# Altium PCB CM_PCB.PcbDoc (part 1 of 7) (continued)
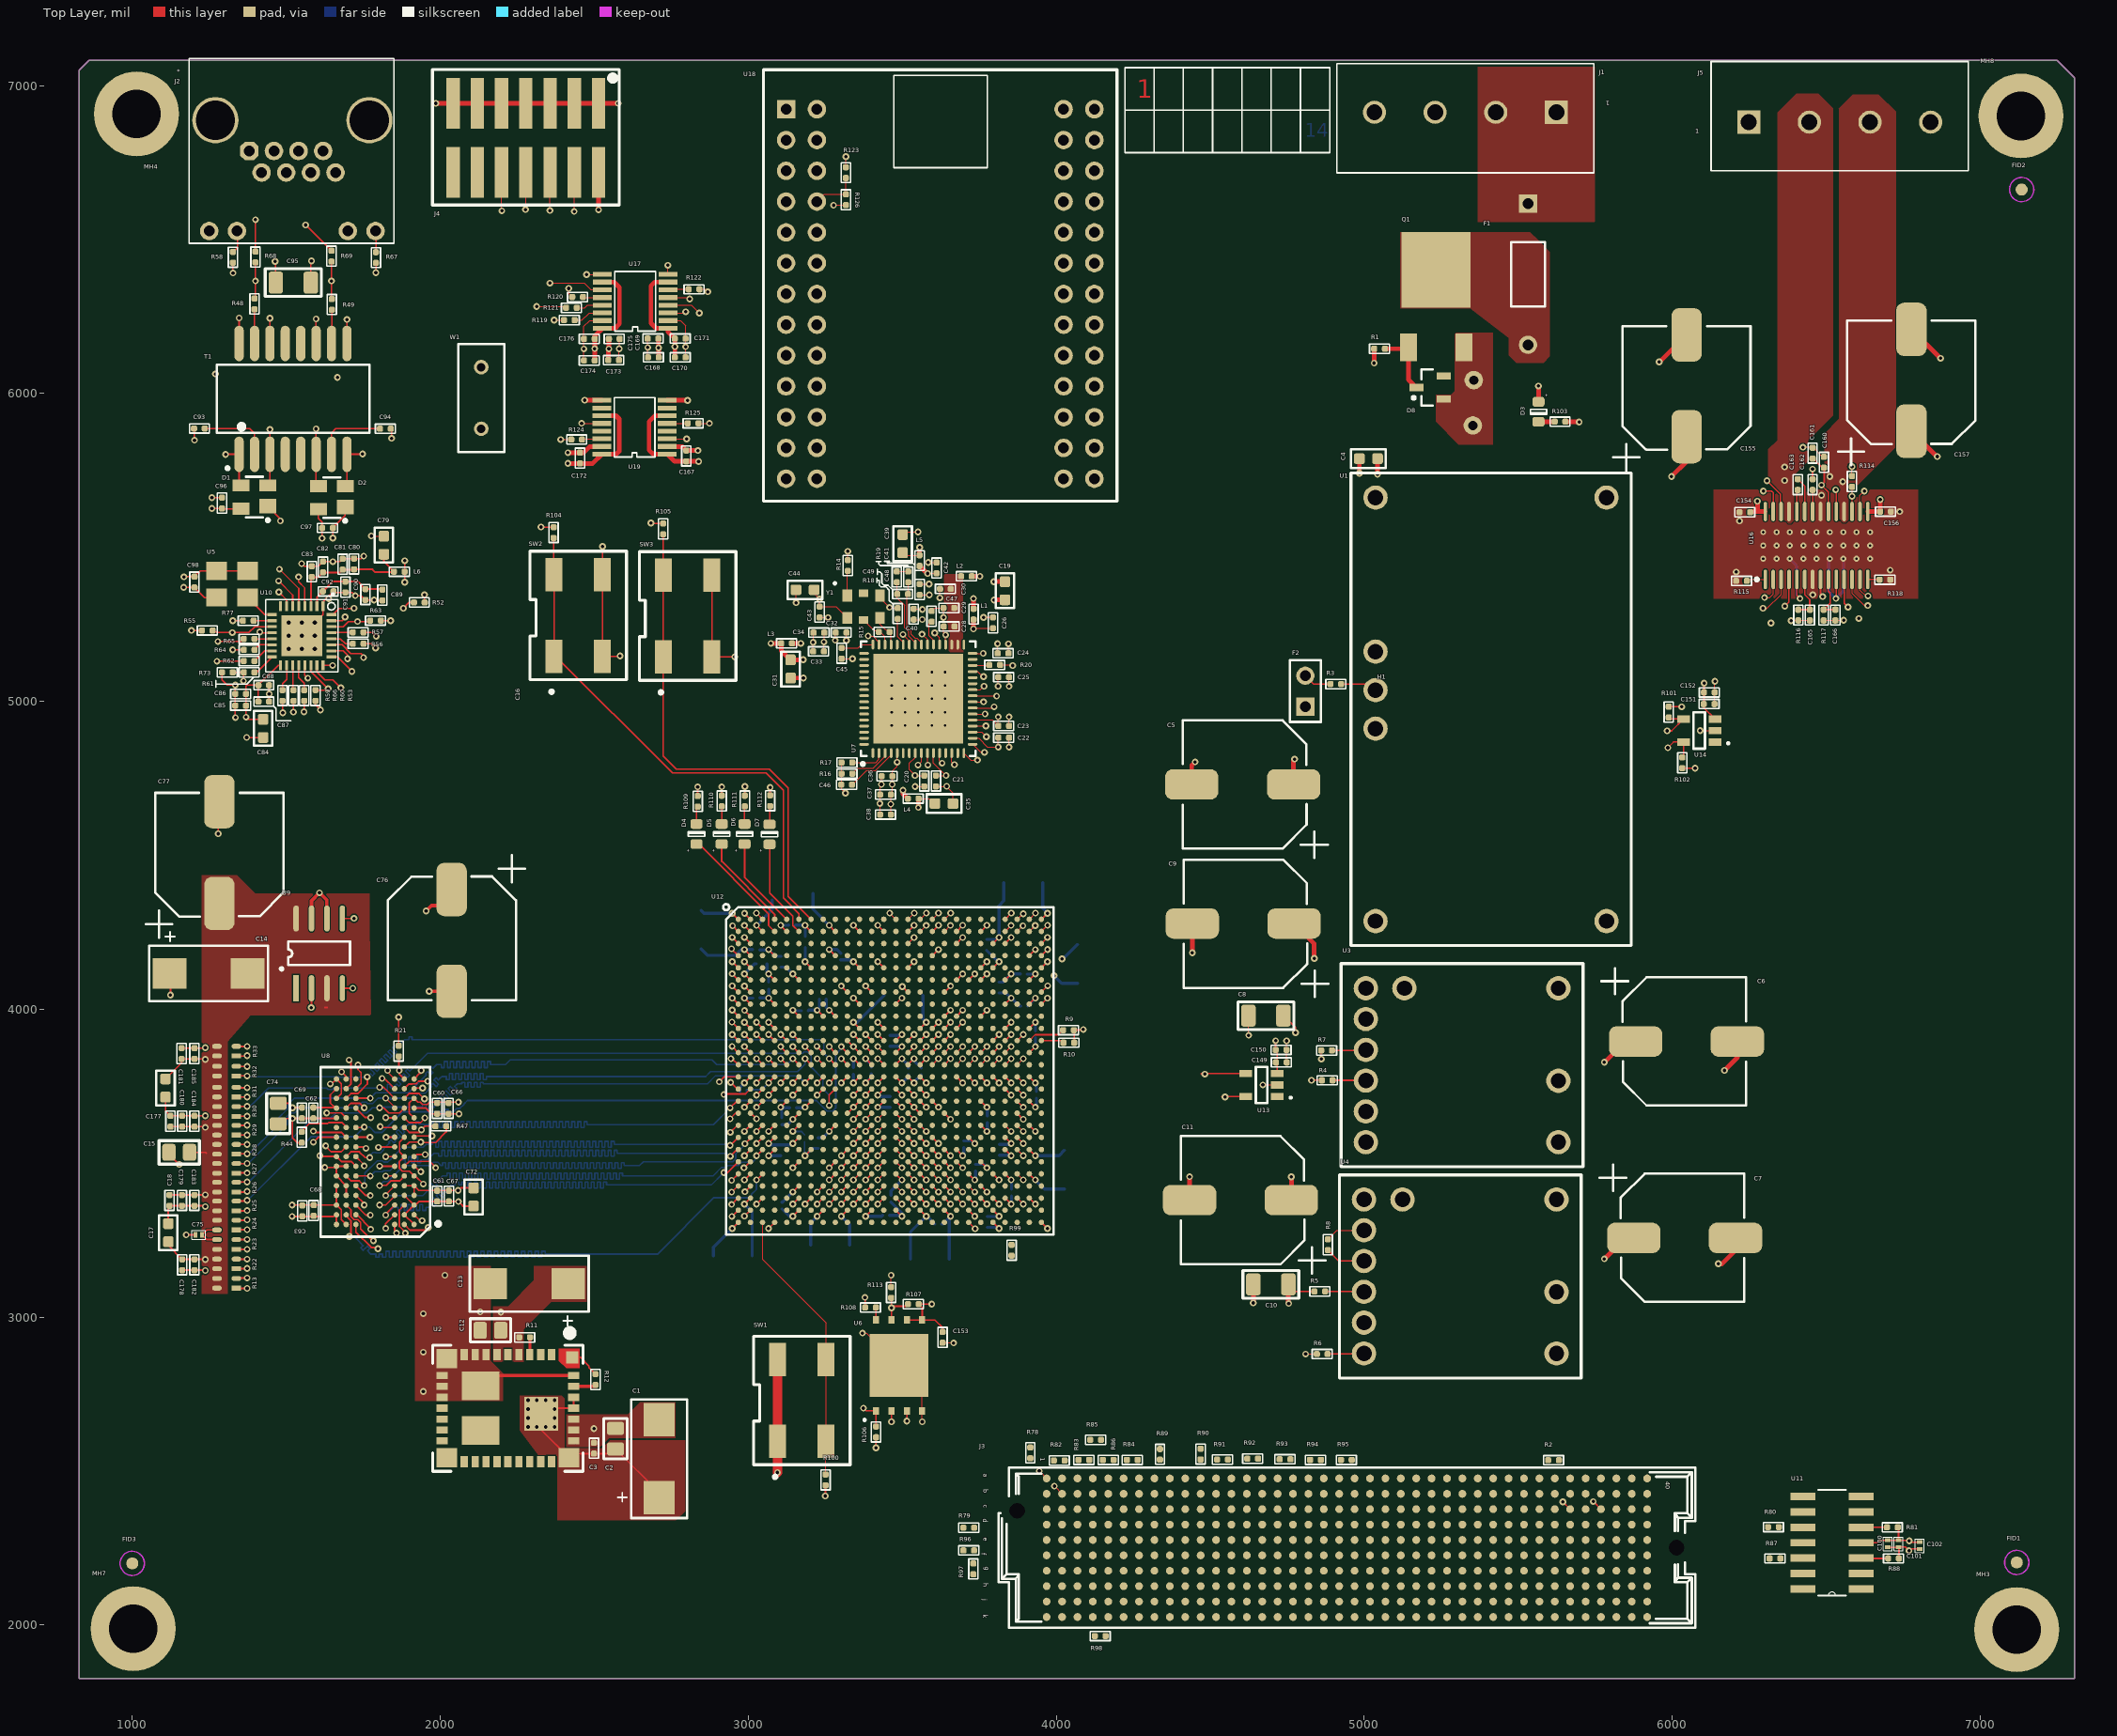
[diagram p0: Top Layer view]
## Components (designator, comment, footprint, x,y, rotation, side; value= is the part's Value field where it differs from the comment) (continued)
C172 "CAP - 0402" CAP_0402 2454,5790 r270 top
C173 "CAP - 0402" CAP_0402 2563,6108 r180 top
C174 "CAP - 0402" CAP_0402 2484,6107 r0 top
C175 "CAP - 0402" CAP_0402 2565,6177 r180 top
C176 "CAP - 0402" CAP_0402 2484,6177 r0 top
C177 "CAP - 0402" CAP_0402 1124,3636 r270 top
C178 "CAP - 0402" CAP_0402 1162,3170 r90 top
C179 "CAP - 0402" CAP_0402 1161,3379 r90 top
C180 "CAP - 0402" CAP_0402 1162,3636 r270 top
C181 "CAP - 0402" CAP_0402 1160,3856 r270 top
C182 "CAP - 0402" CAP_0402 1202,3170 r90 top
C183 "CAP - 0402" CAP_0402 1202,3379 r90 top
C184 "CAP - 0402" CAP_0402 1202,3636 r270 top
C185 "CAP - 0402" CAP_0402 1202,3856 r270 top
D1 "SR3.3.TCT" TVS_SR3.3.TCT 1396.94,5663.3 r180 top
D2 "SR3.3.TCT" TVS_SR3.3.TCT 1647.94,5661.3 r180 top
D3 "SML-311UTT86" LED_0603 5566,5940 r270 top
D4 "SML-311DTT86" LED_0603 2832,4569 r90 top
D5 "SML-311DTT86" LED_0603 2914,4569 r90 top
D6 "SML-311DTT86" LED_0603 2988,4569 r90 top
D7 "SML-311DTT86" LED_0603 3069,4568 r90 top
D8 "ZENER BZX84C10LT1G" SOT23_N 5214,6019 r180 top
F1 "Fuse 1" PIN-W2/E2.8 5532,6387 r270 top
F2 "FAN 12V" HDR1X2 4809,4983 r90 top
FID1 "Fiducial 1mm" FID_1MM 7119,2203 r90 top
FID2 "Fiducial 1mm" FID_1MM 7135,6662 r90 top
FID3 "Fiducial 1mm" FID_1MM 1000,2200 r90 top
H1 "ATS-61270D-C1-R0" "27mm heatsink" 8461,2135 r0 top
J1 "OSTTC040162" CONN_TERMINAL_OSTTA040161 5329,6913 r180 top
J2 "RJHSE-5385" CONN_ETHERNET_RJHSE-5385 1519.94,6787.3 r180 top
J3 "ASP-134486-01" CONN_SAMTEC_ASP-134486-01 4944,2251 r180 top
J4 "98424-G52-14ALF" CON_JTAG_98424-G52-14ALF 2278,6830 r180 top
J5 "OSTTC040162" CONN_TERMINAL_OSTTA040161 6544,6881 r0 top
L1 "FER - 0402" FER_0402 3731.5,5283 r90 top
L2 "FER - 0402" FER_0402 3708.5,5406 r0 top
L3 "FER - 0402" FER_0402 3124.5,5188 r180 top
L4 "FER - 0402" FER_0402 3535.5,4684 r0 top
L5 "FER - 0402" FER_0402 3556.5,5457 r90 top
L6 "FER - 0402" FER_0402 1867,5421 r0 top
MH3 "Mounting Hole 6-32" MH_ENG_6-32 7119,1985 r0 top
MH4 "Mounting Hole 6-32" MH_ENG_6-32 1014,6908 r0 top
MH7 "2.7 mm" MH_ENG_6-32 1003,1988 r0 top
MH8 "2.7 mm" MH_ENG_6-32 7133,6901 r0 top
Q1 "SUD50P04-08-GE3" TO-252 5116,6104 r0 top
R1 "RES - 0402" RES_0402 5050,6145 r0 top
R2 "RES - 0402" RES_0402 5615,2535 r0 top
R3 "RES - 0402" RES_0402 4908,5056 r0 top
R4 "NM" RES_0402 4880,3769 r0 top
R5 "NM" RES_0402 4856,3083 r0 top
R6 "RES - 0402" RES_0402 4864,2880 r0 top
R7 "RES - 0402" RES_0402 4878,3866 r0 top
R8 "RES - 0402" RES_0402 4882,3235 r270 top
R9 "RES - 0402" RES_0402 4040,3932 r0 top
R10 "RES - 0402" RES_0402 4041,3891 r0 top
R11 "*" RES_0402 2274,2934 r0 top
R12 "*" RES_0402 2504,2797 r270 top
R13 "Double resistor" CAT16-J2 1338,3094 r180 top
R14 "RES - 0402" RES_0402 3323.5,5441 r270 top
R15 "RES - 0402" RES_0402 3441.5,5225 r0 top
R16 "RES - 0402" RES_0402 3320.5,4765 r180 top
R17 "RES - 0402" RES_0402 3320.5,4801 r180 top
R18 "RES - 0402" RES_0402 3485.5,5285 r90 top
R19 "NM" RES_0402 3519.5,5404 r270 top
R20 "RES - 0402" RES_0402 3800.5,5118 r180 top
R21 "RES - 0402" RES_0402 1865,3864 r90 top
R22 "Double resistor" CAT16-J2 1338,3157 r180 top
R23 "Double resistor" CAT16-J2 1338,3220 r180 top
R24 "Double resistor" CAT16-J2 1338,3283 r180 top
R25 "Double resistor" CAT16-J2 1338,3345 r180 top
R26 "Double resistor" CAT16-J2 1338,3406 r180 top
R27 "Double resistor" CAT16-J2 1338,3467 r180 top
R28 "Double resistor" CAT16-J2 1338,3529 r180 top
R29 "Double resistor" CAT16-J2 1338,3591 r180 top
R30 "Double resistor" CAT16-J2 1338,3652 r180 top
R31 "Double resistor" CAT16-J2 1338,3715 r180 top
R32 "Double resistor" CAT16-J2 1338,3783 r180 top
R33 "Double resistor" CAT16-J2 1338,3848 r180 top
R44 "RES - 0402" RES_0402 1550,3584 r90 top
R47 "RES - 0402" RES_0402 2002,3620 r180 top
R48 "RES - 0402" RES_0402 1396.94,6290.8 r270 top
R49 "RES - 0402" RES_0402 1647.94,6288.8 r270 top
R52 "RES - 0402" RES_0402 1932,5321 r0 top
R53 "RES - 0402" RES_0402 1595,5019 r270 top
R55 "RES - 0402" RES_0402 1243.5,5230 r180 top
R56 "RES - 0402" RES_0402 1733.44,5186.8 r0 top
R57 "RES - 0402" RES_0402 1733.44,5223.8 r0 top
R58 "RES - 0402" RES_0402 1327,6442 r270 top
R59 "RES - 0402" RES_0402 1487.44,5018.8 r270 top
R60 "RES - 0402" RES_0402 1558.44,5018.8 r270 top
R61 "RES - 0402" RES_0402 1379.44,5093.8 r180 top
R62 "RES - 0402" RES_0402 1379.44,5130.8 r180 top
R63 "RES - 0402" RES_0402 1790,5262 r0 top
R64 "RES - 0402" RES_0402 1379.5,5167 r180 top
R65 "RES - 0402" RES_0402 1379.44,5202.8 r180 top
R66 "RES - 0402" RES_0402 1523.44,5018.8 r270 top
R67 "RES - 0402" RES_0402 1791,6441 r270 top
R68 "RES - 0402" RES_0402 1399.94,6442.8 r90 top
R69 "RES - 0402" RES_0402 1646.94,6445.8 r90 top
R73 "RES - 0402" RES_0402 1308.5,5094 r0 top
R77 "RES - 0402" RES_0402 1376.44,5261.8 r0 top
R78 "RES - 0402" RES_0402 3916,2559 r90 top
R79 "RES - 0402" RES_0402 3716,2316 r180 top
R80 "RES - 0402" RES_0402 6329,2318 r180 top
R81 "RES - 0402" RES_0402 6715,2317 r0 top
R82 "RES - 0402" RES_0402 4010,2534 r0 top
R83 "RES - 0402" RES_0402 4090,2536 r180 top
R84 "RES - 0402" RES_0402 4247,2536 r0 top
R85 "RES - 0402" RES_0402 4128,2601 r180 top
R86 "RES - 0402" RES_0402 4169,2536 r0 top
R87 "RES - 0402" RES_0402 6334,2216 r0 top
R88 "RES - 0402" RES_0402 6719,2216 r180 top
R89 "RES - 0402" RES_0402 4337,2554 r90 top
R90 "RES - 0402" RES_0402 4469,2555 r270 top
R91 "RES - 0402" RES_0402 4540,2537 r180 top
R92 "RES - 0402" RES_0402 4638,2540 r0 top
R93 "RES - 0402" RES_0402 4743,2538 r180 top
R94 "RES - 0402" RES_0402 4842,2536 r0 top
R95 "RES - 0402" RES_0402 4942,2536 r180 top
R96 "RES - 0402" RES_0402 3716,2242 r180 top
R97 "RES - 0402" RES_0402 3731,2182 r90 top
R98 "RES - 0402" RES_0402 4143,1964 r180 top
R99 "RES - 0402" RES_0402 3855,3217 r90 top
R100 "RES - 0402" RES_0402 3251,2471 r270 top
R101 "RES - 0402" RES_0402 5989,4965 r90 top
R102 "RES - 0402" RES_0402 6033,4800 r270 top
R103 "RES - 0402" RES_0402 5636,5908 r180 top
R104 "RES - 0402" RES_0402 2368,5548 r270 top
R105 "RES - 0402" RES_0402 2724,5560 r270 top
R106 "RES - 0402" RES_0402 3415,2627 r270 top
R107 "RES - 0402" RES_0402 3536,3042 r0 top
R108 "RES - 0402" RES_0402 3397,3031 r0 top
R109 "RES - 0402" RES_0402 2836,4675 r270 top
R110 "RES - 0402" RES_0402 2914,4676 r270 top
R111 "RES - 0402" RES_0402 2989,4676 r270 top
R112 "RES - 0402" RES_0402 3071,4677 r270 top
R113 "RES - 0402" RES_0402 3464,3080 r270 top
R114 "RES - 0402" RES_0402 6584,5714 r270 top
R115 "RES - 0402" RES_0402 6225,5391 r180 top
R116 "RES - 0402" RES_0402 6410,5280 r90 top
R117 "RES - 0402" RES_0402 6492,5280 r90 top
R118 "RES - 0402" RES_0402 6691,5395 r0 top
R119 "RES - 0402" RES_0402 2419,6238 r180 top
R120 "RES - 0402" RES_0402 2446,6313 r180 top
R121 "RES - 0402" RES_0402 2426,6278 r180 top
R122 "RES - 0402" RES_0402 2824,6338 r180 top
R123 "RES - 0402" RES_0402 3317,6717 r270 top
R124 "RES - 0402" RES_0402 2443,5850 r180 top
R125 "RES - 0402" RES_0402 2821,5903 r180 top
R126 "RES - 0402" RES_0402 3317,6629 r90 top
SW1 "B3SN-3012P" SWI_TACT_B3SN-3012P 3174,2729 r90 top
SW2 "B3SN-3012P" SWI_TACT_B3SN-3012P 2448,5279 r90 top
SW3 "B3SN-3012P" SWI_TACT_B3SN-3012P 2803,5277 r90 top
T1 "H1102NLT" TRANSFO_H1102NLT 1521.94,5982.3 r90 top
U1 "PTN78060W" PTN78020W 5412,4974 r270 top
U2 "LMZ3602" "RKG39 QFN" 2452,2897 r180 top
U3 "PTH08T230W" PTH08T230W 5318,3818 r180 top
U4 "PTH08T230W" PTH08T230W 5312,3132 r180 top
U5 "ASFL1-25.000MHZ-EC-T" ASFL1 1273.94,5423.8 r0 top
U6 "M25P128" M25P128 3490,2843 r90 top
U7 "CDCE62005RGZT" TIM_CDCE62005RGZT 3552.5,5008 r90 top
U8 "MT41J128M16JT-125" MEM_DDR3_MT41J128M16JT-125 1789,3537 r180 top locked
U9 "LP2995" SOP8 1532,4068 r90 top
U10 "KSZ8091MNXCA" COM_ETH_PHY_KSZ8091MNXCA 1550.44,5212.8 r270 top
U11 "LM324DR" SOIC127P600X175-14N 6425,2417 r180 top
U12 "XC6SLX100-3FGG676C" FPGA_XILINX_FGG676 3459.94,3799.8 r0 top locked
U13 "TC74A0-3.3VCTTR" SEN_TEMP_TC74A0-3.3VCTTR 4667,3754 r180 top
U14 "TC74A1-3.3VCTTR" SEN_TEMP_TC74A0-3.3VCTTR 6088,4905 r180 top
U16 "DRV8811PWPR" POW_MOTOR_DRV8811PWPR 6469,5506 r90 top
U17 "SI8641BA-C-IU" ISO_SI8642BA-B-IU 2633,6299 r180 top
U18 "FT2232H-MINI-MODULE" COM_USB_FT2232H-MINI-MODULE 3123,6923 r270 top
U19 "SI8642BA-B-IU" ISO_SI8642BA-B-IU 2631,5890 r180 top
W1 "Jumper" RAD-0.2 2133,5985 r90 top
Y1 "KC3225L-L3" KC3225L-L3 3321.5,5363 r180 top

## Footprints (in the part's own frame and the unit in brackets; to place one, negate y for a bottom-side part, rotate by r counter-clockwise, add the part's x,y. Pads: shape width x height; smd on the part's side, far side on the other; paste and mask are expansions set on the pad)
"27mm heatsink" [mil]
  body extent -591,-591 591,591, height 462
ASFL1 [mm]
  rect 1.7x1.5 smd: 1(0,0) 2(0,-2.2) 3(2.54,-2.2) 4(2.54,0)
CAP_0201 [mil]
  rect 12x18 smd: 1(-11,0) 2(11,0)
  silkscreen extent -22,-14 22,14, body extent -12,-6 12,6, height 12
CAP_0402 [mil]
  rrect60% 20x20 smd: 1(-17.5,0) 2(17.5,0)
  silkscreen extent -32,-15 32,15, body extent -19,-10 20,10, height 20
CAP_0603 [mil]
  rrect35% 35x34 smd: 1(-29.5,0) 2(29.5,0)
  silkscreen extent -56,-30 56,30, body extent -32,-16 31,16, height 35
CAP_0805 [mil]
  rrect37% 43x55 smd: 1(-33.5,0) 2(33.5,0)
  silkscreen extent -66,-38 66,38, body extent -39,-24 40,25, height 49
CAP_1206 [mil]
  rrect34% 47x71 smd: 1(-57,0) 2(57,0)
  silkscreen extent -91,-45 91,45, body extent -62,-31 64,32, height 49
CAP_1210 [mm]
  rrect40% 1.5x2.5 smd: 1(-1.6,0) 2(1.6,0)
  silkscreen extent -2.54,-1.78 2.54,1.78, body extent -1.57,-1.24 1.63,1.26, height 2.5
CAP_ALU_1010_vishay [mm]
  rrect50% 4.4x2.5 smd: 1(8.4,0) 2(0,0)
  silkscreen extent -0.72,-6.05 11.22,5.28, body extent -1.4,-5.17 10.2,5.13, height 10.2
CAP_TAN_2917(D) [mm]
  rect 2.77x2.55 smd: 1(-3.22,0)
  rect 2.77x2.55 smd paste-0.3 mask-0.11: 2(3.22,0)
  silkscreen extent -4.9,-2.3 4.9,3.43, body extent -3.67,-2.3 3.93,2.3, height 3.1
CAT16-J2 [mm]
  rect 0.8x0.4 smd: 1(0,0)
  oval 0.8x0.4 smd: 2(0,-0.8) 3(1.6,-0.8) 4(1.6,0)
COM_ETH_PHY_KSZ8091MNXCA [mm]
  rect 0.8x0.25 smd: 1(-2.45,1.75) 2(-2.45,1.25) 3(-2.45,0.75) 4(-2.45,0.25) 5(-2.45,-0.25) 6(-2.45,-0.75) 7(-2.45,-1.25) 8(-2.45,-1.75) 17(2.45,-1.75) 18(2.45,-1.25) 19(2.45,-0.75) 20(2.45,-0.25) 21(2.45,0.25) 22(2.45,0.75) 23(2.45,1.25) 24(2.45,1.75)
  rect 0.25x0.8 smd: 9(-1.75,-2.45) 10(-1.25,-2.45) 11(-0.75,-2.45) 12(-0.25,-2.45) 13(0.25,-2.45) 14(0.75,-2.45) 15(1.25,-2.45) 16(1.75,-2.45) 25(1.75,2.45) 26(1.25,2.45) 27(0.75,2.45) 28(0.25,2.45) 29(-0.25,2.45) 30(-0.75,2.45) 31(-1.25,2.45) 32(-1.75,2.45)
  rrect0% 3.4x3.4 smd: 33(0,0)
  round 0.6 hole 0.35: 34(-1.07,1.07) 35(0,1.07) 36(1.07,1.07) 37(-1.07,0) 38(0,0) 39(1.07,0) 40(-1.07,-1.07) 41(0,-1.07) 42(1.07,-1.07)
  silkscreen extent -3.48,-2.98 2.98,2.98, body extent -2.5,-2.5 2.5,2.5, height 0.9
COM_USB_FT2232H-MINI-MODULE [mil]
  rect 60x60 / inner round 60 / far side round 60 hole 35: CN2-1(0,0)
  round 60 hole 35: CN2-2(0,100) CN2-3(100,0) CN2-4(100,100) CN2-5(200,0) CN2-6(200,100) CN2-7(300,0) CN2-8(300,100) CN2-9(400,0) CN2-10(400,100) CN2-11(500,0) CN2-12(500,100) CN2-13(600,0) CN2-14(600,100) CN2-15(700,0) CN2-16(700,100) CN2-17(800,0) CN2-18(800,100) CN2-19(900,0) CN2-20(900,100) CN2-21(1000,0) CN2-22(1000,100) CN2-23(1100,0) CN2-24(1100,100) CN2-25(1200,0) CN2-26(1200,100) CN3-1(0,901.18) CN3-2(0,1001.18) CN3-3(100,901.18) CN3-4(100,1001.18) CN3-5(200,901.18) CN3-6(200,1001.18) CN3-7(300,901.18) CN3-8(300,1001.18) CN3-9(400,901.18) CN3-10(400,1001.18) CN3-11(500,901.18) CN3-12(500,1001.18) CN3-13(600,901.18) CN3-14(600,1001.18) CN3-15(700,901.18) CN3-16(700,1001.18) CN3-17(800,901.18) CN3-18(800,1001.18) CN3-19(900,901.18) CN3-20(900,1001.18) CN3-21(1000,901.18) CN3-22(1000,1001.18) CN3-23(1100,901.18) CN3-24(1100,1001.18) CN3-25(1200,901.18) CN3-26(1200,1001.18)
  silkscreen extent -128,-73 1273,1074, body extent -205,-78 1278,1075, height 481
CON_JTAG_98424-G52-14ALF [mm]
  rect 1.1x4.2 smd: A01(-6,-2.85) A02(-4,-2.85) A03(-2,-2.85) A04(0,-2.85) A05(2,-2.85) A06(4,-2.85) A07(6,-2.85) B01(-6,2.85) B02(-4,2.85) B03(-2,2.85) B04(0,2.85) B05(2,2.85) B06(4,2.85) B07(6,2.85)
  silkscreen extent -7.7,-5.64 7.7,5.54, body extent -7,-3.44 6.99,3.59, height 5.7
CONN_ETHERNET_RJHSE-5385 [mil] "Ethernet connector with LEDs"
  round 150 hole 128: 0(-250,-100) 0(250,-100)
  oct 60x60 hole 35: 1(140,0)
  round 60 hole 35: 2(100,70) 3(60,0) 4(20,70) 5(-20,0) 6(-60,70) 7(-100,0) 8(-140,70) 9(270,260) 10(180,260) 11(-180,260) 12(-270,260)
  silkscreen extent -330,-300 335,300, body extent -329,-325 334,313, height 597
CONN_SAMTEC_ASP-134486-01 [mm] "Connector VITA 57, 400 Female contacts in 10 row abcdefghj"
  round 1 hole 1.3 unplated mask+0.3: 0(-27.19,0) 0(27.19,-3.05)
  round 0.64 smd: a1(24.765,-5.715) a2(23.495,-5.715) a3(22.225,-5.715) a4(20.955,-5.715) a5(19.685,-5.715) a6(18.415,-5.715) a7(17.145,-5.715) a8(15.875,-5.715) a9(14.605,-5.715) a10(13.335,-5.715) a11(12.065,-5.715) a12(10.795,-5.715) a13(9.525,-5.715) a14(8.255,-5.715) a15(6.985,-5.715) a16(5.715,-5.715) a17(4.445,-5.715) a18(3.175,-5.715) a19(1.905,-5.715) a20(0.635,-5.715) a21(-0.635,-5.715) a22(-1.905,-5.715) a23(-3.175,-5.715) a24(-4.445,-5.715) a25(-5.715,-5.715) a26(-6.985,-5.715) a27(-8.255,-5.715) a28(-9.525,-5.715) a29(-10.795,-5.715) a30(-12.065,-5.715) a31(-13.335,-5.715) a32(-14.605,-5.715) a33(-15.875,-5.715) a34(-17.145,-5.715) a35(-18.415,-5.715) a36(-19.685,-5.715) a37(-20.955,-5.715) a38(-22.225,-5.715) a39(-23.495,-5.715) a40(-24.765,-5.715) b1(24.765,-4.445) b2(23.495,-4.445) b3(22.225,-4.445) b4(20.955,-4.445) b5(19.685,-4.445) b6(18.415,-4.445) b7(17.145,-4.445) b8(15.875,-4.445) b9(14.605,-4.445) b10(13.335,-4.445) b11(12.065,-4.445) b12(10.795,-4.445) b13(9.525,-4.445) b14(8.255,-4.445) b15(6.985,-4.445) b16(5.715,-4.445) b17(4.445,-4.445) b18(3.175,-4.445) b19(1.905,-4.445) b20(0.635,-4.445) b21(-0.635,-4.445) b22(-1.905,-4.445) b23(-3.175,-4.445) b24(-4.445,-4.445) b25(-5.715,-4.445) b26(-6.985,-4.445) b27(-8.255,-4.445) b28(-9.525,-4.445) b29(-10.795,-4.445) b30(-12.065,-4.445) b31(-13.335,-4.445) b32(-14.605,-4.445) b33(-15.875,-4.445) b34(-17.145,-4.445) b35(-18.415,-4.445) b36(-19.685,-4.445) b37(-20.955,-4.445) b38(-22.225,-4.445) b39(-23.495,-4.445) b40(-24.765,-4.445) c1(24.765,-3.175) c2(23.495,-3.175) c3(22.225,-3.175) c4(20.955,-3.175) c5(19.685,-3.175) c6(18.415,-3.175) c7(17.145,-3.175) c8(15.875,-3.175) c9(14.605,-3.175) c10(13.335,-3.175) c11(12.065,-3.175) c12(10.795,-3.175) c13(9.525,-3.175) c14(8.255,-3.175) c15(6.985,-3.175) c16(5.715,-3.175) c17(4.445,-3.175) c18(3.175,-3.175) c19(1.905,-3.175) c20(0.635,-3.175) c21(-0.635,-3.175) c22(-1.905,-3.175) c23(-3.175,-3.175) c24(-4.445,-3.175) c25(-5.715,-3.175) c26(-6.985,-3.175) c27(-8.255,-3.175) c28(-9.525,-3.175) c29(-10.795,-3.175) c30(-12.065,-3.175) c31(-13.335,-3.175) c32(-14.605,-3.175) c33(-15.875,-3.175) c34(-17.145,-3.175) c35(-18.415,-3.175) c36(-19.685,-3.175) c37(-20.955,-3.175) c38(-22.225,-3.175) c39(-23.495,-3.175) c40(-24.765,-3.175) d1(24.765,-1.905) d2(23.495,-1.905) d3(22.225,-1.905) d4(20.955,-1.905) d5(19.685,-1.905) d6(18.415,-1.905) d7(17.145,-1.905) d8(15.875,-1.905) d9(14.605,-1.905) d10(13.335,-1.905) d11(12.065,-1.905) d12(10.795,-1.905) d13(9.525,-1.905) d14(8.255,-1.905) d15(6.985,-1.905) d16(5.715,-1.905) d17(4.445,-1.905) d18(3.175,-1.905) d19(1.905,-1.905) d20(0.635,-1.905) d21(-0.635,-1.905) d22(-1.905,-1.905) d23(-3.175,-1.905) d24(-4.445,-1.905) d25(-5.715,-1.905) d26(-6.985,-1.905) d27(-8.255,-1.905) d28(-9.525,-1.905) d29(-10.795,-1.905) d30(-12.065,-1.905) d31(-13.335,-1.905) d32(-14.605,-1.905) d33(-15.875,-1.905) d34(-17.145,-1.905) d35(-18.415,-1.905) d36(-19.685,-1.905) d37(-20.955,-1.905) d38(-22.225,-1.905) d39(-23.495,-1.905) d40(-24.765,-1.905) e1(24.765,-0.635) e2(23.495,-0.635) e3(22.225,-0.635) e4(20.955,-0.635) e5(19.685,-0.635) e6(18.415,-0.635) e7(17.145,-0.635) e8(15.875,-0.635) e9(14.605,-0.635) e10(13.335,-0.635) e11(12.065,-0.635) e12(10.795,-0.635) e13(9.525,-0.635) e14(8.255,-0.635) e15(6.985,-0.635) e16(5.715,-0.635) e17(4.445,-0.635) e18(3.175,-0.635) e19(1.905,-0.635) e20(0.635,-0.635) e21(-0.635,-0.635) e22(-1.905,-0.635) e23(-3.175,-0.635) e24(-4.445,-0.635) e25(-5.715,-0.635) e26(-6.985,-0.635) e27(-8.255,-0.635) e28(-9.525,-0.635) e29(-10.795,-0.635) e30(-12.065,-0.635) e31(-13.335,-0.635) e32(-14.605,-0.635) e33(-15.875,-0.635) e34(-17.145,-0.635) e35(-18.415,-0.635) e36(-19.685,-0.635) e37(-20.955,-0.635) e38(-22.225,-0.635) e39(-23.495,-0.635) e40(-24.765,-0.635) f1(24.765,0.635) f2(23.495,0.635) f3(22.225,0.635) f4(20.955,0.635) f5(19.685,0.635) f6(18.415,0.635) f7(17.145,0.635) f8(15.875,0.635) f9(14.605,0.635) f10(13.335,0.635) f11(12.065,0.635) f12(10.795,0.635) f13(9.525,0.635) f14(8.255,0.635) f15(6.985,0.635) f16(5.715,0.635) f17(4.445,0.635) f18(3.175,0.635) f19(1.905,0.635) f20(0.635,0.635) f21(-0.635,0.635) f22(-1.905,0.635) f23(-3.175,0.635) f24(-4.445,0.635) f25(-5.715,0.635) f26(-6.985,0.635) f27(-8.255,0.635) f28(-9.525,0.635) f29(-10.795,0.635) f30(-12.065,0.635) f31(-13.335,0.635) f32(-14.605,0.635) f33(-15.875,0.635) f34(-17.145,0.635) f35(-18.415,0.635) f36(-19.685,0.635) f37(-20.955,0.635) f38(-22.225,0.635) f39(-23.495,0.635) f40(-24.765,0.635) g1(24.765,1.905) g2(23.495,1.905) g3(22.225,1.905) g4(20.955,1.905) g5(19.685,1.905) g6(18.415,1.905) g7(17.145,1.905) g8(15.875,1.905) g9(14.605,1.905) g10(13.335,1.905) g11(12.065,1.905) g12(10.795,1.905) g13(9.525,1.905) g14(8.255,1.905) g15(6.985,1.905) g16(5.715,1.905) g17(4.445,1.905) g18(3.175,1.905) g19(1.905,1.905) g20(0.635,1.905) g21(-0.635,1.905) g22(-1.905,1.905) g23(-3.175,1.905) g24(-4.445,1.905) g25(-5.715,1.905) g26(-6.985,1.905) g27(-8.255,1.905) g28(-9.525,1.905) g29(-10.795,1.905) g30(-12.065,1.905) g31(-13.335,1.905) g32(-14.605,1.905) g33(-15.875,1.905) g34(-17.145,1.905) g35(-18.415,1.905) g36(-19.685,1.905) g37(-20.955,1.905) g38(-22.225,1.905) g39(-23.495,1.905) g40(-24.765,1.905) h1(24.765,3.175) h2(23.495,3.175) h3(22.225,3.175) h4(20.955,3.175) h5(19.685,3.175) h6(18.415,3.175) h7(17.145,3.175) h8(15.875,3.175) h9(14.605,3.175) h10(13.335,3.175) h11(12.065,3.175) h12(10.795,3.175) h13(9.525,3.175) h14(8.255,3.175) h15(6.985,3.175) h16(5.715,3.175) h17(4.445,3.175) h18(3.175,3.175) h19(1.905,3.175) h20(0.635,3.175) h21(-0.635,3.175) h22(-1.905,3.175) h23(-3.175,3.175) h24(-4.445,3.175) h25(-5.715,3.175) h26(-6.985,3.175) h27(-8.255,3.175) h28(-9.525,3.175) h29(-10.795,3.175) h30(-12.065,3.175) h31(-13.335,3.175) h32(-14.605,3.175) h33(-15.875,3.175) h34(-17.145,3.175) h35(-18.415,3.175) h36(-19.685,3.175) h37(-20.955,3.175) h38(-22.225,3.175) h39(-23.495,3.175) h40(-24.765,3.175) j1(24.765,4.445) j2(23.495,4.445) j3(22.225,4.445) j4(20.955,4.445) j5(19.685,4.445) j6(18.415,4.445) j7(17.145,4.445) j8(15.875,4.445) j9(14.605,4.445) j10(13.335,4.445) j11(12.065,4.445) j12(10.795,4.445) j13(9.525,4.445) j14(8.255,4.445) j15(6.985,4.445) j16(5.715,4.445) j17(4.445,4.445) j18(3.175,4.445) j19(1.905,4.445) j20(0.635,4.445) j21(-0.635,4.445) j22(-1.905,4.445) j23(-3.175,4.445) j24(-4.445,4.445) j25(-5.715,4.445) j26(-6.985,4.445) j27(-8.255,4.445) j28(-9.525,4.445) j29(-10.795,4.445) j30(-12.065,4.445) j31(-13.335,4.445) j32(-14.605,4.445) j33(-15.875,4.445) j34(-17.145,4.445) j35(-18.415,4.445) j36(-19.685,4.445) j37(-20.955,4.445) j38(-22.225,4.445) j39(-23.495,4.445) j40(-24.765,4.445) k1(24.765,5.715) k2(23.495,5.715) k3(22.225,5.715) k4(20.955,5.715) k5(19.685,5.715) k6(18.415,5.715) k7(17.145,5.715) k8(15.875,5.715) k9(14.605,5.715) k10(13.335,5.715) k11(12.065,5.715) k12(10.795,5.715) k13(9.525,5.715) k14(8.255,5.715) k15(6.985,5.715) k16(5.715,5.715) k17(4.445,5.715) k18(3.175,5.715) k19(1.905,5.715) k20(0.635,5.715) k21(-0.635,5.715) k22(-1.905,5.715) k23(-3.175,5.715) k24(-4.445,5.715) k25(-5.715,5.715) k26(-6.985,5.715) k27(-8.255,5.715) k28(-9.525,5.715) k29(-10.795,5.715) k30(-12.065,5.715) k31(-13.335,5.715) k32(-14.605,5.715) k33(-15.875,5.715) k34(-17.145,5.715) k35(-18.415,5.715) k36(-19.685,5.715) k37(-20.955,5.715) k38(-22.225,5.715) k39(-23.495,5.715) k40(-24.765,5.715)
  silkscreen extent -28.73,-6.62 28.73,6.62, body extent -28.73,-6.62 28.73,6.62, height 6.55
CONN_TERMINAL_OSTTA040161 [mm] "4-pins terminal block"
  rect 1.905x1.905 hole 1.3 mask+0.12: 1(-7.5,0)
  round 1.905 hole 1.3 mask+0.12: 2(-2.5,0) 3(2.5,0) 4(7.5,0)
  silkscreen extent -10.6,-4 10.6,5, body extent -10.67,-3.3 10.49,4.2, height 10.08
FER_0402 [mil]
  rrect60% 20x20 smd: 1(-17.5,0) 2(17.5,0)
  silkscreen extent -32,-15 32,15, body extent -20,-10 20,10, height 20
FID_1MM [mm] "Fiducial 1mm diameter - Exposed 2mm"
  round 1 all layers, no hole paste-1 mask+0.5: 0(0,0)
  Keep-Out Layer circle w0.127: c0,0 r1
FPGA_XILINX_FGG676 [mm]
  round 0.45 smd mask+0.05: A1(-12.5,12.5) A2(-11.5,12.5) A3(-10.5,12.5) A4(-9.5,12.5) A5(-8.5,12.5) A6(-7.5,12.5) A7(-6.5,12.5) A8(-5.5,12.5) A9(-4.5,12.5) A10(-3.5,12.5) A11(-2.5,12.5) A12(-1.5,12.5) A13(-0.5,12.5) A14(0.5,12.5) A15(1.5,12.5) A16(2.5,12.5) A17(3.5,12.5) A18(4.5,12.5) A19(5.5,12.5) A20(6.5,12.5) A21(7.5,12.5) A22(8.5,12.5) A23(9.5,12.5) A24(10.5,12.5) A25(11.5,12.5) A26(12.5,12.5) AA1(-12.5,-7.5) AA2(-11.5,-7.5) AA3(-10.5,-7.5) AA4(-9.5,-7.5) AA5(-8.5,-7.5) AA6(-7.5,-7.5) AA7(-6.5,-7.5) AA8(-5.5,-7.5) AA9(-4.5,-7.5) AA10(-3.5,-7.5) AA11(-2.5,-7.5) AA12(-1.5,-7.5) AA13(-0.5,-7.5) AA14(0.5,-7.5) AA15(1.5,-7.5) AA16(2.5,-7.5) AA17(3.5,-7.5) AA18(4.5,-7.5) AA19(5.5,-7.5) AA20(6.5,-7.5) AA21(7.5,-7.5) AA22(8.5,-7.5) AA23(9.5,-7.5) AA24(10.5,-7.5) AA25(11.5,-7.5) AA26(12.5,-7.5) AB1(-12.5,-8.5) AB2(-11.5,-8.5) AB3(-10.5,-8.5) AB4(-9.5,-8.5) AB5(-8.5,-8.5) AB6(-7.5,-8.5) AB7(-6.5,-8.5) AB8(-5.5,-8.5) AB9(-4.5,-8.5) AB10(-3.5,-8.5) AB11(-2.5,-8.5) AB12(-1.5,-8.5) AB13(-0.5,-8.5) AB14(0.5,-8.5) AB15(1.5,-8.5) AB16(2.5,-8.5) AB17(3.5,-8.5) AB18(4.5,-8.5) AB19(5.5,-8.5) AB20(6.5,-8.5) AB21(7.5,-8.5) AB22(8.5,-8.5) AB23(9.5,-8.5) AB24(10.5,-8.5) AB25(11.5,-8.5) AB26(12.5,-8.5) AC1(-12.5,-9.5) AC2(-11.5,-9.5) AC3(-10.5,-9.5) AC4(-9.5,-9.5) AC5(-8.5,-9.5) AC6(-7.5,-9.5) AC7(-6.5,-9.5) AC8(-5.5,-9.5) AC9(-4.5,-9.5) AC10(-3.5,-9.5) AC11(-2.5,-9.5) AC12(-1.5,-9.5) AC13(-0.5,-9.5) AC14(0.5,-9.5) AC15(1.5,-9.5) AC16(2.5,-9.5) AC17(3.5,-9.5) AC18(4.5,-9.5) AC19(5.5,-9.5) AC20(6.5,-9.5) AC21(7.5,-9.5) AC22(8.5,-9.5) AC23(9.5,-9.5) AC24(10.5,-9.5) AC25(11.5,-9.5) AC26(12.5,-9.5) AD1(-12.5,-10.5) AD2(-11.5,-10.5) AD3(-10.5,-10.5) AD4(-9.5,-10.5) AD5(-8.5,-10.5) AD6(-7.5,-10.5) AD7(-6.5,-10.5) AD8(-5.5,-10.5) AD9(-4.5,-10.5) AD10(-3.5,-10.5) AD11(-2.5,-10.5) AD12(-1.5,-10.5) AD13(-0.5,-10.5) AD14(0.5,-10.5) AD15(1.5,-10.5) AD16(2.5,-10.5) AD17(3.5,-10.5) AD18(4.5,-10.5) AD19(5.5,-10.5) AD20(6.5,-10.5) AD21(7.5,-10.5) AD22(8.5,-10.5) AD23(9.5,-10.5) AD24(10.5,-10.5) AD25(11.5,-10.5) AD26(12.5,-10.5) AE1(-12.5,-11.5) AE2(-11.5,-11.5) AE3(-10.5,-11.5) AE4(-9.5,-11.5) AE5(-8.5,-11.5) AE6(-7.5,-11.5) AE7(-6.5,-11.5) AE8(-5.5,-11.5) AE9(-4.5,-11.5) AE10(-3.5,-11.5) AE11(-2.5,-11.5) AE12(-1.5,-11.5) AE13(-0.5,-11.5) AE14(0.5,-11.5) AE15(1.5,-11.5) AE16(2.5,-11.5) AE17(3.5,-11.5) AE18(4.5,-11.5) AE19(5.5,-11.5) AE20(6.5,-11.5) AE21(7.5,-11.5) AE22(8.5,-11.5) AE23(9.5,-11.5) AE24(10.5,-11.5) AE25(11.5,-11.5) AE26(12.5,-11.5) AF1(-12.5,-12.5) AF2(-11.5,-12.5) AF3(-10.5,-12.5) AF4(-9.5,-12.5) AF5(-8.5,-12.5) AF6(-7.5,-12.5) AF7(-6.5,-12.5) AF8(-5.5,-12.5) AF9(-4.5,-12.5) AF10(-3.5,-12.5) AF11(-2.5,-12.5) AF12(-1.5,-12.5) AF13(-0.5,-12.5) AF14(0.5,-12.5) AF15(1.5,-12.5) AF16(2.5,-12.5) AF17(3.5,-12.5) AF18(4.5,-12.5) AF19(5.5,-12.5) AF20(6.5,-12.5) AF21(7.5,-12.5) AF22(8.5,-12.5) AF23(9.5,-12.5) AF24(10.5,-12.5) AF25(11.5,-12.5) AF26(12.5,-12.5) B1(-12.5,11.5) B2(-11.5,11.5) B3(-10.5,11.5) B4(-9.5,11.5) B5(-8.5,11.5) B6(-7.5,11.5) B7(-6.5,11.5) B8(-5.5,11.5) B9(-4.5,11.5) B10(-3.5,11.5) B11(-2.5,11.5) B12(-1.5,11.5) B13(-0.5,11.5) B14(0.5,11.5) B15(1.5,11.5) B16(2.5,11.5) B17(3.5,11.5) B18(4.5,11.5) B19(5.5,11.5) B20(6.5,11.5) B21(7.5,11.5) B22(8.5,11.5) B23(9.5,11.5) B24(10.5,11.5) B25(11.5,11.5) B26(12.5,11.5) C1(-12.5,10.5) C2(-11.5,10.5) C3(-10.5,10.5) C4(-9.5,10.5) C5(-8.5,10.5) C6(-7.5,10.5) C7(-6.5,10.5) C8(-5.5,10.5) C9(-4.5,10.5) C10(-3.5,10.5) C11(-2.5,10.5) C12(-1.5,10.5) C13(-0.5,10.5) C14(0.5,10.5) C15(1.5,10.5) C16(2.5,10.5) C17(3.5,10.5) C18(4.5,10.5) C19(5.5,10.5) C20(6.5,10.5) C21(7.5,10.5) C22(8.5,10.5) C23(9.5,10.5) C24(10.5,10.5) C25(11.5,10.5) C26(12.5,10.5) D1(-12.5,9.5) D2(-11.5,9.5) D3(-10.5,9.5) D4(-9.5,9.5) D5(-8.5,9.5) D6(-7.5,9.5) D7(-6.5,9.5) D8(-5.5,9.5) D9(-4.5,9.5) D10(-3.5,9.5) D11(-2.5,9.5) D12(-1.5,9.5) D13(-0.5,9.5) D14(0.5,9.5) D15(1.5,9.5) D16(2.5,9.5) D17(3.5,9.5) D18(4.5,9.5) D19(5.5,9.5) D20(6.5,9.5) D21(7.5,9.5) D22(8.5,9.5) D23(9.5,9.5) D24(10.5,9.5) D25(11.5,9.5) D26(12.5,9.5) E1(-12.5,8.5) E2(-11.5,8.5) E3(-10.5,8.5) E4(-9.5,8.5) E5(-8.5,8.5) E6(-7.5,8.5) E7(-6.5,8.5) E8(-5.5,8.5) E9(-4.5,8.5) E10(-3.5,8.5) E11(-2.5,8.5) E12(-1.5,8.5) E13(-0.5,8.5) E14(0.5,8.5) E15(1.5,8.5) E16(2.5,8.5) E17(3.5,8.5) E18(4.5,8.5) E19(5.5,8.5) E20(6.5,8.5) E21(7.5,8.5) E22(8.5,8.5) E23(9.5,8.5) E24(10.5,8.5) E25(11.5,8.5) E26(12.5,8.5) F1(-12.5,7.5) F2(-11.5,7.5) F3(-10.5,7.5) F4(-9.5,7.5) F5(-8.5,7.5) F6(-7.5,7.5) F7(-6.5,7.5) F8(-5.5,7.5) F9(-4.5,7.5) F10(-3.5,7.5) F11(-2.5,7.5) F12(-1.5,7.5) F13(-0.5,7.5) F14(0.5,7.5) F15(1.5,7.5) F16(2.5,7.5) F17(3.5,7.5) F18(4.5,7.5) F19(5.5,7.5) F20(6.5,7.5) F21(7.5,7.5) F22(8.5,7.5) F23(9.5,7.5) F24(10.5,7.5) F25(11.5,7.5) F26(12.5,7.5) G1(-12.5,6.5) G2(-11.5,6.5) G3(-10.5,6.5) G4(-9.5,6.5) G5(-8.5,6.5) G6(-7.5,6.5) G7(-6.5,6.5) G8(-5.5,6.5) G9(-4.5,6.5) G10(-3.5,6.5) G11(-2.5,6.5) G12(-1.5,6.5) G13(-0.5,6.5) G14(0.5,6.5) G15(1.5,6.5) G16(2.5,6.5) G17(3.5,6.5) G18(4.5,6.5) G19(5.5,6.5) G20(6.5,6.5) G21(7.5,6.5) G22(8.5,6.5) G23(9.5,6.5) G24(10.5,6.5) G25(11.5,6.5) G26(12.5,6.5) H1(-12.5,5.5) H2(-11.5,5.5) H3(-10.5,5.5) H4(-9.5,5.5) H5(-8.5,5.5) H6(-7.5,5.5) H7(-6.5,5.5) H8(-5.5,5.5) H9(-4.5,5.5) H10(-3.5,5.5) H11(-2.5,5.5) H12(-1.5,5.5) H13(-0.5,5.5) H14(0.5,5.5) H15(1.5,5.5) H16(2.5,5.5) H17(3.5,5.5) H18(4.5,5.5) H19(5.5,5.5) H20(6.5,5.5) H21(7.5,5.5) H22(8.5,5.5) H23(9.5,5.5) H24(10.5,5.5) H25(11.5,5.5) H26(12.5,5.5) J1(-12.5,4.5) J2(-11.5,4.5) J3(-10.5,4.5) J4(-9.5,4.5) J5(-8.5,4.5) J6(-7.5,4.5) J7(-6.5,4.5) J8(-5.5,4.5) J9(-4.5,4.5) J10(-3.5,4.5) J11(-2.5,4.5) J12(-1.5,4.5) J13(-0.5,4.5) J14(0.5,4.5) J15(1.5,4.5) J16(2.5,4.5) J17(3.5,4.5) J18(4.5,4.5) J19(5.5,4.5) J20(6.5,4.5) J21(7.5,4.5) J22(8.5,4.5) J23(9.5,4.5) J24(10.5,4.5) J25(11.5,4.5) J26(12.5,4.5) K1(-12.5,3.5) K2(-11.5,3.5) K3(-10.5,3.5) K4(-9.5,3.5) K5(-8.5,3.5) K6(-7.5,3.5) K7(-6.5,3.5) K8(-5.5,3.5) K9(-4.5,3.5) K10(-3.5,3.5) K11(-2.5,3.5) K12(-1.5,3.5) K13(-0.5,3.5) K14(0.5,3.5) K15(1.5,3.5) K16(2.5,3.5) K17(3.5,3.5) K18(4.5,3.5) K19(5.5,3.5) K20(6.5,3.5) K21(7.5,3.5) K22(8.5,3.5) K23(9.5,3.5) K24(10.5,3.5) K25(11.5,3.5) K26(12.5,3.5) L1(-12.5,2.5) L2(-11.5,2.5) L3(-10.5,2.5) L4(-9.5,2.5) L5(-8.5,2.5) L6(-7.5,2.5) L7(-6.5,2.5) L8(-5.5,2.5) L9(-4.5,2.5) L10(-3.5,2.5) L11(-2.5,2.5) L12(-1.5,2.5) L13(-0.5,2.5) L14(0.5,2.5) L15(1.5,2.5) L16(2.5,2.5) L17(3.5,2.5) L18(4.5,2.5) L19(5.5,2.5) L20(6.5,2.5) L21(7.5,2.5) L22(8.5,2.5) L23(9.5,2.5) L24(10.5,2.5) L25(11.5,2.5) L26(12.5,2.5) M1(-12.5,1.5) M2(-11.5,1.5) M3(-10.5,1.5) M4(-9.5,1.5) M5(-8.5,1.5) M6(-7.5,1.5) M7(-6.5,1.5) M8(-5.5,1.5) M9(-4.5,1.5) M10(-3.5,1.5) M11(-2.5,1.5) M12(-1.5,1.5) M13(-0.5,1.5) M14(0.5,1.5) M15(1.5,1.5) M16(2.5,1.5) M17(3.5,1.5) M18(4.5,1.5) M19(5.5,1.5) M20(6.5,1.5) M21(7.5,1.5) M22(8.5,1.5) M23(9.5,1.5) M24(10.5,1.5) M25(11.5,1.5) M26(12.5,1.5) N1(-12.5,0.5) N2(-11.5,0.5) N3(-10.5,0.5) N4(-9.5,0.5) N5(-8.5,0.5) N6(-7.5,0.5) N7(-6.5,0.5) N8(-5.5,0.5) N9(-4.5,0.5) N10(-3.5,0.5) N11(-2.5,0.5) N12(-1.5,0.5) N13(-0.5,0.5) N14(0.5,0.5) N15(1.5,0.5) N16(2.5,0.5) N17(3.5,0.5) N18(4.5,0.5) N19(5.5,0.5) N20(6.5,0.5) N21(7.5,0.5) N22(8.5,0.5) N23(9.5,0.5) N24(10.5,0.5) N25(11.5,0.5) N26(12.5,0.5) P1(-12.5,-0.5) P2(-11.5,-0.5) P3(-10.5,-0.5) P4(-9.5,-0.5) P5(-8.5,-0.5) P6(-7.5,-0.5) P7(-6.5,-0.5) P8(-5.5,-0.5) P9(-4.5,-0.5) P10(-3.5,-0.5) P11(-2.5,-0.5) P12(-1.5,-0.5) P13(-0.5,-0.5) P14(0.5,-0.5) P15(1.5,-0.5) P16(2.5,-0.5) P17(3.5,-0.5) P18(4.5,-0.5) P19(5.5,-0.5) P20(6.5,-0.5) P21(7.5,-0.5) P22(8.5,-0.5) P23(9.5,-0.5) P24(10.5,-0.5) P25(11.5,-0.5) P26(12.5,-0.5) R1(-12.5,-1.5) R2(-11.5,-1.5) R3(-10.5,-1.5) R4(-9.5,-1.5) R5(-8.5,-1.5) R6(-7.5,-1.5) R7(-6.5,-1.5) R8(-5.5,-1.5) R9(-4.5,-1.5) R10(-3.5,-1.5) R11(-2.5,-1.5) R12(-1.5,-1.5) R13(-0.5,-1.5) R14(0.5,-1.5) R15(1.5,-1.5) R16(2.5,-1.5) R17(3.5,-1.5) R18(4.5,-1.5) R19(5.5,-1.5) R20(6.5,-1.5) R21(7.5,-1.5) R22(8.5,-1.5) R23(9.5,-1.5) R24(10.5,-1.5) R25(11.5,-1.5) R26(12.5,-1.5) T1(-12.5,-2.5) T2(-11.5,-2.5) T3(-10.5,-2.5) T4(-9.5,-2.5) T5(-8.5,-2.5) T6(-7.5,-2.5) T7(-6.5,-2.5) T8(-5.5,-2.5) T9(-4.5,-2.5) T10(-3.5,-2.5) T11(-2.5,-2.5) T12(-1.5,-2.5) T13(-0.5,-2.5) T14(0.5,-2.5) T15(1.5,-2.5) T16(2.5,-2.5) T17(3.5,-2.5) T18(4.5,-2.5) T19(5.5,-2.5) T20(6.5,-2.5) T21(7.5,-2.5) T22(8.5,-2.5) T23(9.5,-2.5) T24(10.5,-2.5) T25(11.5,-2.5) T26(12.5,-2.5) U1(-12.5,-3.5) U2(-11.5,-3.5) U3(-10.5,-3.5) U4(-9.5,-3.5) U5(-8.5,-3.5) U6(-7.5,-3.5) U7(-6.5,-3.5) U8(-5.5,-3.5) U9(-4.5,-3.5) U10(-3.5,-3.5) U11(-2.5,-3.5) U12(-1.5,-3.5) U13(-0.5,-3.5) U14(0.5,-3.5) U15(1.5,-3.5) U16(2.5,-3.5) U17(3.5,-3.5) U18(4.5,-3.5) U19(5.5,-3.5) U20(6.5,-3.5) U21(7.5,-3.5) U22(8.5,-3.5) U23(9.5,-3.5) U24(10.5,-3.5) U25(11.5,-3.5) U26(12.5,-3.5) V1(-12.5,-4.5) V2(-11.5,-4.5) V3(-10.5,-4.5) V4(-9.5,-4.5) V5(-8.5,-4.5) V6(-7.5,-4.5) V7(-6.5,-4.5) V8(-5.5,-4.5) V9(-4.5,-4.5) V10(-3.5,-4.5) V11(-2.5,-4.5) V12(-1.5,-4.5) V13(-0.5,-4.5) V14(0.5,-4.5) V15(1.5,-4.5) V16(2.5,-4.5) V17(3.5,-4.5) V18(4.5,-4.5) V19(5.5,-4.5) V20(6.5,-4.5) V21(7.5,-4.5) V22(8.5,-4.5) V23(9.5,-4.5) V24(10.5,-4.5) V25(11.5,-4.5) V26(12.5,-4.5) W1(-12.5,-5.5) W2(-11.5,-5.5) W3(-10.5,-5.5) W4(-9.5,-5.5) W5(-8.5,-5.5) W6(-7.5,-5.5) W7(-6.5,-5.5) W8(-5.5,-5.5) W9(-4.5,-5.5) W10(-3.5,-5.5) W11(-2.5,-5.5) W12(-1.5,-5.5) W13(-0.5,-5.5) W14(0.5,-5.5) W15(1.5,-5.5) W16(2.5,-5.5) W17(3.5,-5.5) W18(4.5,-5.5) W19(5.5,-5.5) W20(6.5,-5.5) W21(7.5,-5.5) W22(8.5,-5.5) W23(9.5,-5.5) W24(10.5,-5.5) W25(11.5,-5.5) W26(12.5,-5.5) Y1(-12.5,-6.5) Y2(-11.5,-6.5) Y3(-10.5,-6.5) Y4(-9.5,-6.5) Y5(-8.5,-6.5) Y6(-7.5,-6.5) Y7(-6.5,-6.5) Y8(-5.5,-6.5) Y9(-4.5,-6.5) Y10(-3.5,-6.5) Y11(-2.5,-6.5) Y12(-1.5,-6.5) Y13(-0.5,-6.5) Y14(0.5,-6.5) Y15(1.5,-6.5) Y16(2.5,-6.5) Y17(3.5,-6.5) Y18(4.5,-6.5) Y19(5.5,-6.5) Y20(6.5,-6.5) Y21(7.5,-6.5) Y22(8.5,-6.5) Y23(9.5,-6.5) Y24(10.5,-6.5) Y25(11.5,-6.5) Y26(12.5,-6.5)
  silkscreen extent -13.75,-13.5 13.5,13.75, body extent -13.5,-13.53 13.5,13.47, height 2.24
HDR1X2 [mm] "Connector; Header; 2 Position"
  rect 1.5x1.5 hole 0.9: 1(0,0)
  round 1.5 hole 0.9: 2(2.54,0)
  silkscreen extent -1.27,-1.27 3.81,1.27
ISO_SI8642BA-B-IU [mm]
  rect 1.55x0.4 smd: 1(-2.7,2.222) 2(-2.7,1.587) 3(-2.7,0.952) 4(-2.7,0.317) 5(-2.7,-0.318) 6(-2.7,-0.953) 7(-2.7,-1.588) 8(-2.7,-2.223) 9(2.7,-2.222) 10(2.7,-1.587) 11(2.7,-0.952) 12(2.7,-0.317) 13(2.7,0.318) 14(2.7,0.953) 15(2.7,1.588) 16(2.7,2.223)
  silkscreen extent -1.68,-2.46 1.68,2.46, body extent -3.2,-2.5 3.2,2.5, height 1.1
KC3225L-L3 [mm] "Clock KC3225L-L3's Footprint"
  rect 0.8x1 smd: 1(0,0.5) 3(-2.7,0.5) 4(-2.7,2.34) 6(0,2.34)
  rect 0.75x0.62 smd: 2(-1.35,0.31) 5(-1.35,2.53)
  silkscreen extent 0.96,-0.56 1.07,-0.45